# Altium PCB IO_Boardv3_281215.PcbDoc
Units mm, origin at the board's own origin, x right, y up, seen from the top; angles counter-clockwise.
Board outline 147.5 x 102.5 mm, 2 copper layers (Top Layer, Bottom Layer); 134 components, 97 nets, 602 pads, 110 vias.
Unrouted connection lines stored in the file: 1.
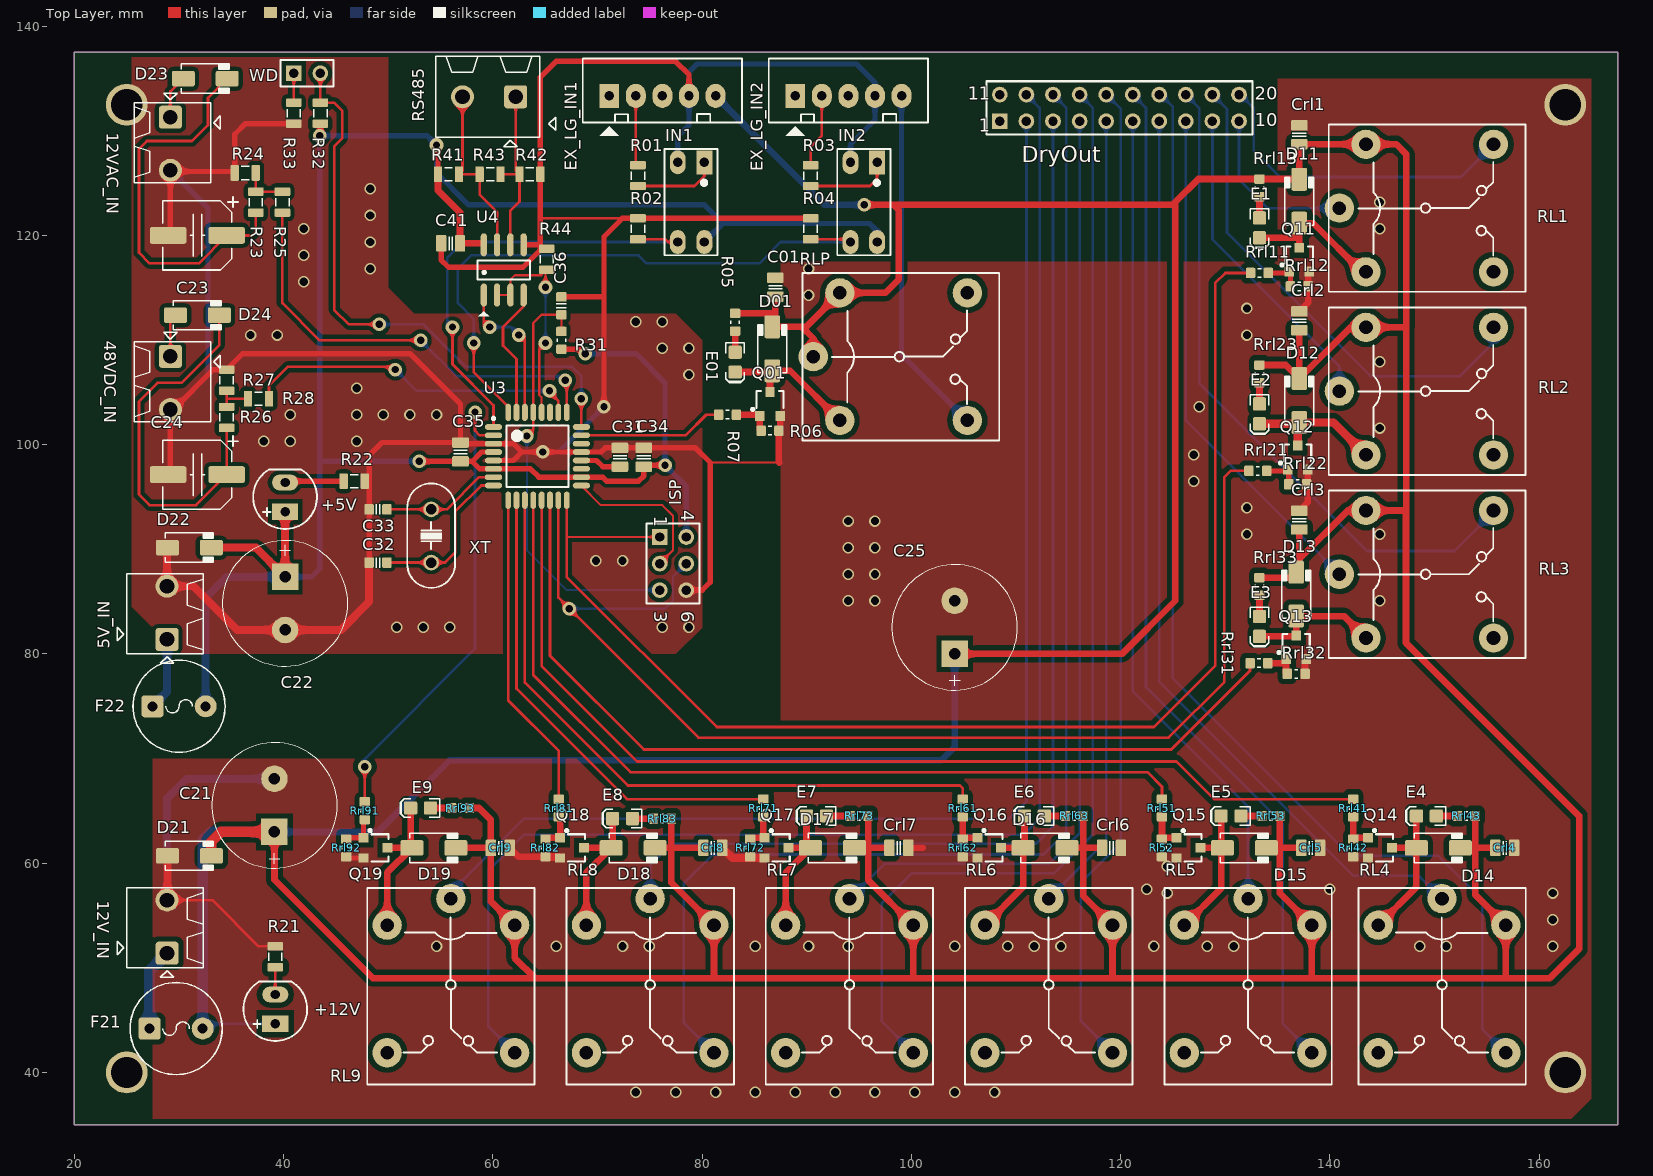
[diagram p0: Top Layer view]
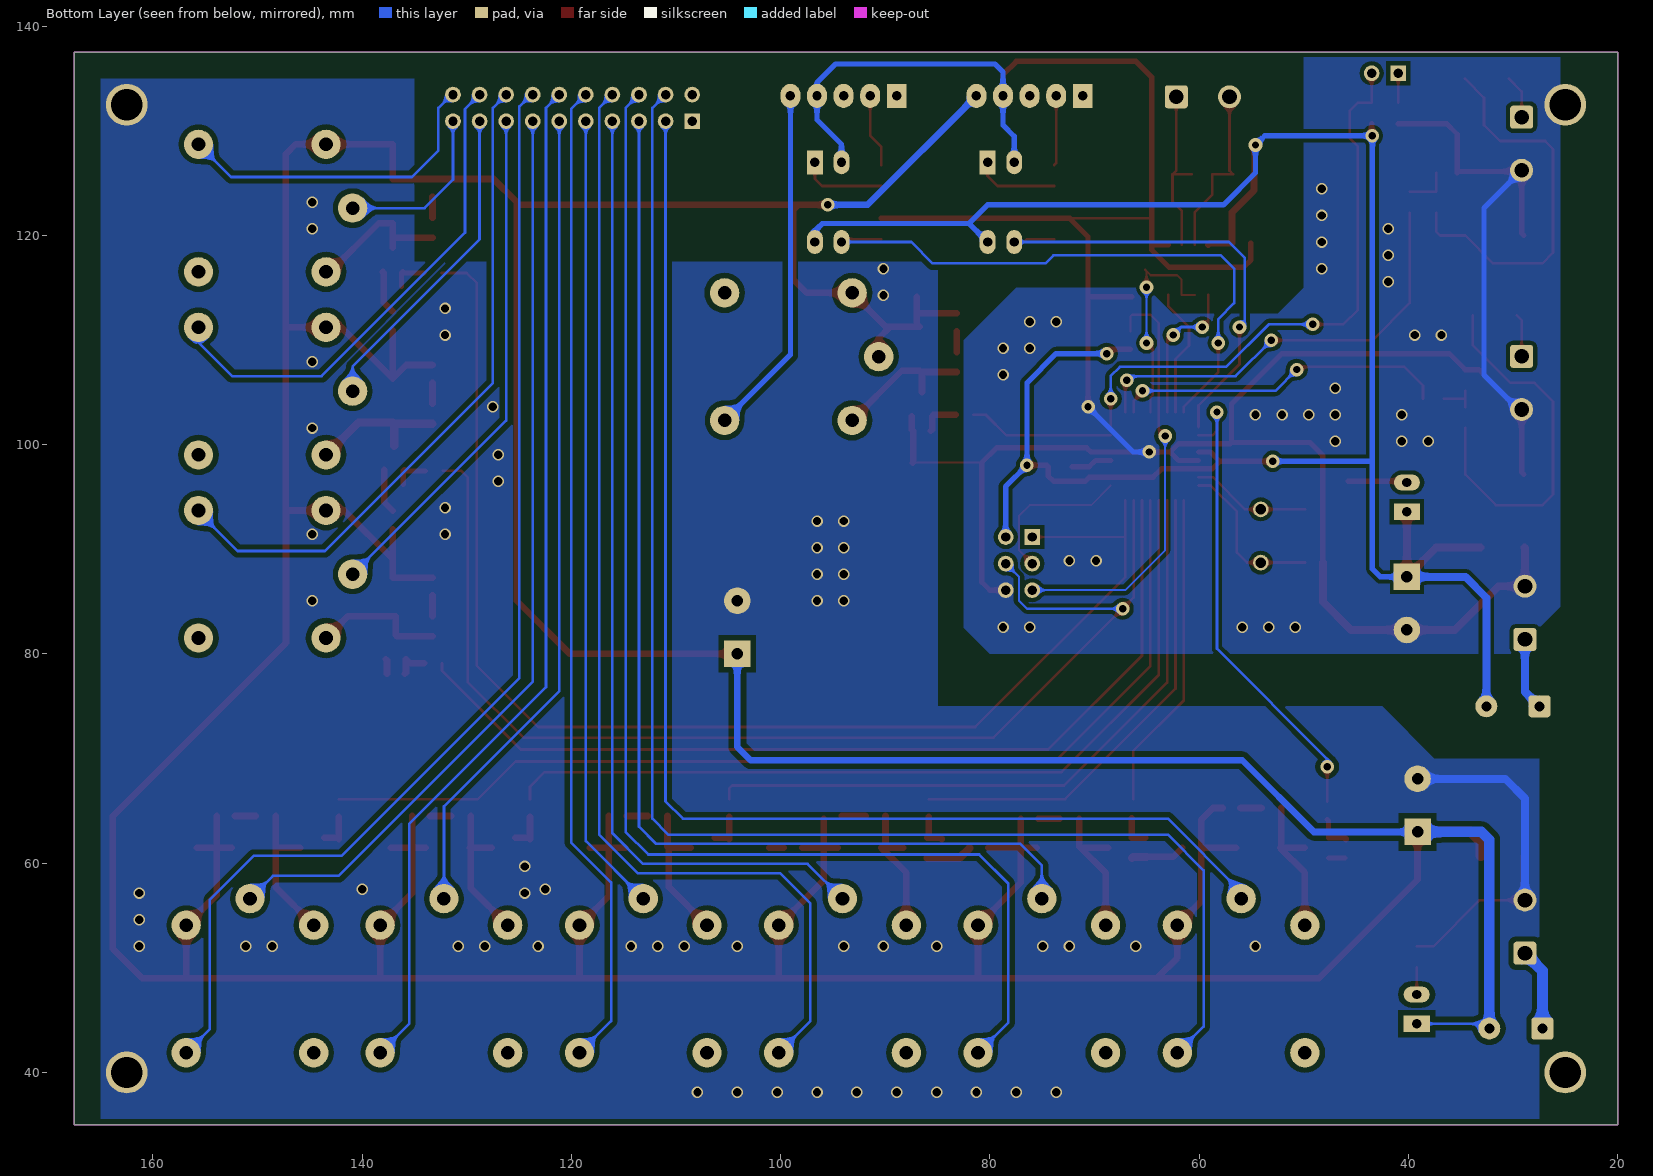
[diagram p1: Bottom Layer view, seen from below]
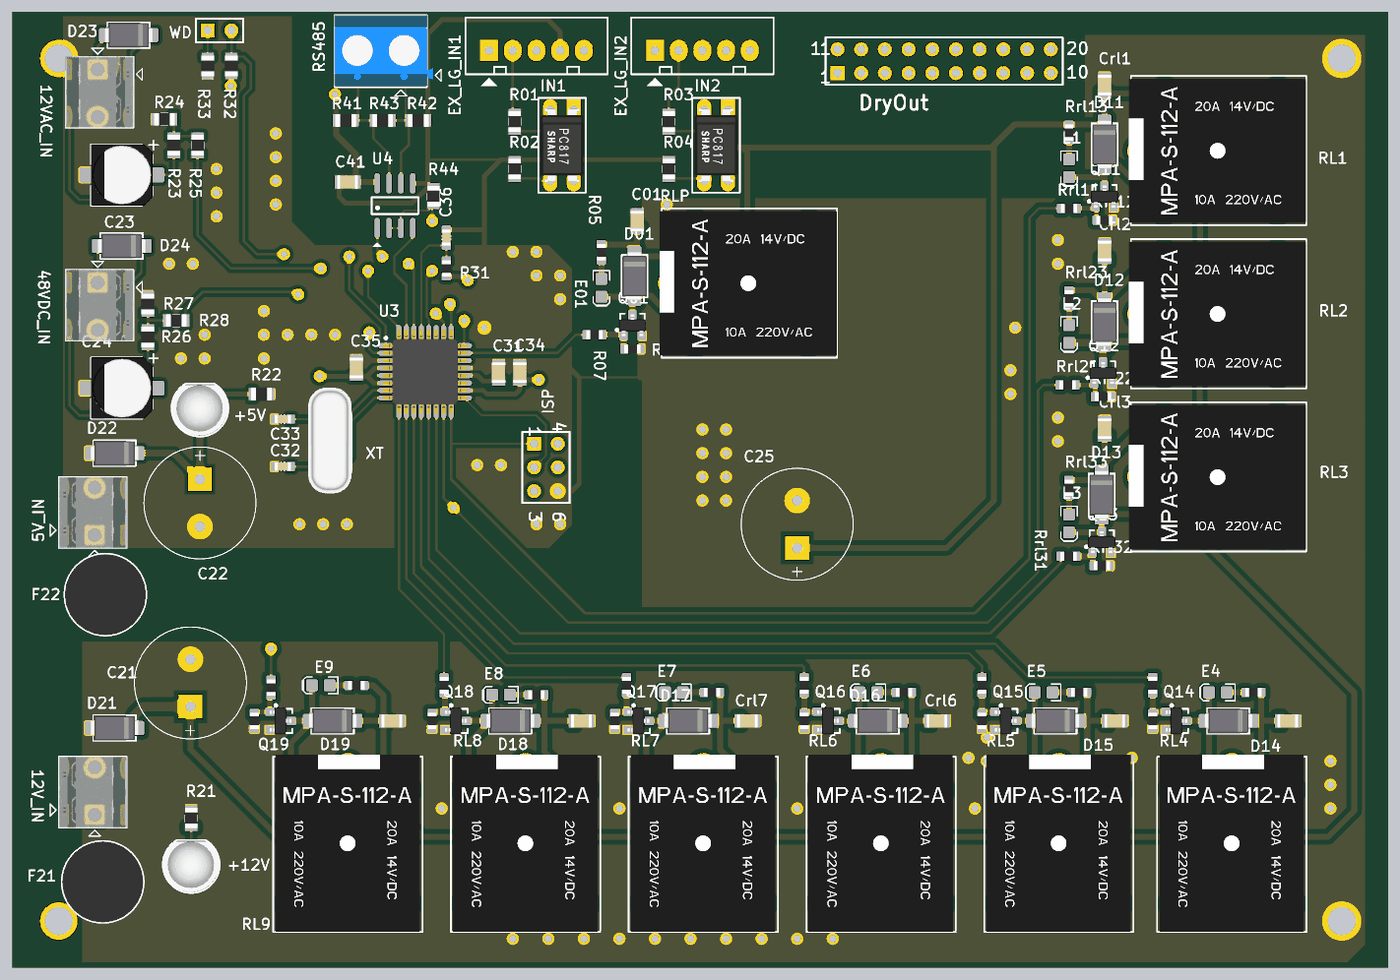
[diagram p2: 3D render of the assembled board from above, using the file's embedded part models]

## Layer stack, top to bottom
Top Solder: solder mask 0.0102, Solder Resist, Dk 3.5
Top Layer: signal copper 0.0356
Dielectric 1: dielectric 0.32, FR-4, Dk 4.8
Bottom Layer: signal copper 0.0356
Bottom Solder: solder mask 0.0102, Solder Resist, Dk 3.5

## Board outline
20,35 167.5,35 167.5,137.5 20,137.5

## Design rules (kind name [scope] priority, off if disabled: settings)
Clearance [All] p1: gap=0.508
PlaneConnect [All] p1: planeconnectstyle=Direct reliefexpansion=0.508 reliefentries=4 reliefconductorwidth=0.635 reliefairgap=0.254
PolygonConnect [All] p1: connectstyle=Direct reliefconductorwidth=0.635 reliefentries=4 polygonreliefangle="90 Angle" airgapwidth=0.254
RoutingVias [All] p1: holewidth=0.711 width=1.27 viastyle="Through Hole" minholewidth=0.6 minwidth=1.2 maxholewidth=5 maxwidth=5
SolderMaskExpansion [All] p1: expansion=0.102
Width [All] p1: maxlimit=3 minlimit=0.203 preferedwidth=0.254
29 further rules are at their usual default settings.

## Classes and differential pairs
component class IO_Boardv3_RelayAlarm: C25 Crl1 Crl2 Crl3 Crl4 Crl5 Crl6 Crl7 Crl8 Crl9 D11 D12 D13 D14 D15 D16 D17 D18 D19 DryOut E1 E2 E3 E4 E5 E6 E7 E8 E9 Q11 Q12 Q13 Q14 Q15 Q16 Q17 Q18 Q19 RL1 RL2 RL3 RL4 RL5 RL6 RL7 RL8 RL9 Rl52 Rrl11 Rrl12 Rrl13 Rrl21 Rrl22 Rrl23 Rrl31 Rrl32 Rrl33 Rrl41 Rrl42 Rrl43 Rrl51 Rrl53 Rrl61 Rrl62 Rrl63 Rrl71 Rrl72 Rrl73 Rrl81 Rrl82 Rrl83 Rrl91 Rrl92 Rrl93
component class IO_Boardv3_281215: 5V_IN 12V_IN 12VAC_IN 48VDC_IN +5V +12V C01 C21 C22 C23 C24 C31 C32 C33 C34 C35 C36 C41 D01 D21 D22 D23 D24 E01 EX_LG_IN1 EX_LG_IN2 F21 F22 IN1 IN2 ISP Q01 R01 R02 R03 R04 R05 R06 R07 R21 R22 R23 R24 R25 R26 R27 R28 R31 R32 R33 R41 R42 R43 R44 RLP RS485 U3 U4 WD XT

## Components (designator, comment, footprint, x,y, rotation, side; value= is the part's Value field where it differs from the comment)
5V_IN "Stackable ScrewTerm" 2P_PCB_ScrewTerm_200mil 25,80 r0 top
12V_IN "Stackable ScrewTerm" 2P_PCB_ScrewTerm_200mil 25,50 r0 top
12VAC_IN "Stackable ScrewTerm" 2P_PCB_ScrewTerm_200mil 33.02,132.71 r180 top
48VDC_IN "Stackable ScrewTerm" 2P_PCB_ScrewTerm_200mil 33.02,109.85 r180 top
+5V "Led" "LED 5mm RED" 40.132,94.996 r90 top
+12V "Led" "LED 5mm RED" 39.198,46.056 r90 top
C01 "CAP NP" CAPC2012N_F 86.995,115.062 r90 top
C21 "2200uF/35V" CP_1000uF_25V 39.116,65.532 r90 top
C22 "2200uF/35V" CP_1000uF_25V 40.132,84.836 r270 top
C23 "Cap" CAP_ELEC_6.3x4.2 31.75,120.01 r0 top
C24 "Cap" CAP_ELEC_6.3x4.2 31.75,97.15 r0 top
C25 "2200uF/35V" CP_1000uF_25V 104.14,82.55 r90 top
C31 "Cap" CAPC2012N_F 72.136,98.806 r90 top
C32 "CAP NP" CAPC1608N 49.015,88.74 r180 top
C33 "CAP NP" CAPC1608N 49.015,93.82 r180 top
C34 "Cap" CAPC2012N_F 74.422,98.806 r90 top
C35 "Cap" CAPC2012N_F 56.896,99.314 r90 top
C36 "CAP NP" CAPC1608N 66.548,113.284 r270 top
C41 "100nF/104" CAPC2012N_F 55.953,119.253 r0 top
Crl1 "CAP NP" CAPC2012N_F 137.081,129.629 r90 top
Crl2 "CAP NP" CAPC2012N_F 137.081,111.849 r90 top
Crl3 "CAP NP" CAPC2012N_F 137.081,92.799 r90 top
Crl4 "CAP NP" CAPC2012N_F 156.718,61.468 r0 top
Crl5 "CAP NP" CAPC2012N_F 138.176,61.468 r0 top
Crl6 "CAP NP" CAPC2012N_F 119.126,61.468 r0 top
Crl7 "CAP NP" CAPC2012N_F 98.806,61.468 r0 top
Crl8 "CAP NP" CAPC2012N_F 81.026,61.468 r0 top
Crl9 "CAP NP" CAPC2012N_F 60.706,61.468 r0 top
D01 "Diode" DO-214AC 86.709,109.172 r90 top
D11 "Diode" DO-214AC 137.081,123.279 r90 top
D12 "Diode" DO-214AC 137.081,104.229 r90 top
D13 "Diode" DO-214AC 136.779,85.725 r90 top
D14 "Diode" DO-214AC 150.368,61.468 r0 top
D15 "Diode" DO-214AC 131.826,61.468 r0 top
D16 "Diode" DO-214AC 112.776,61.468 r0 top
D17 "Diode" DO-214AC 92.456,61.468 r0 top
D18 "Diode" DO-214AC 73.406,61.468 r0 top
D19 "Diode" DO-214AC 54.356,61.468 r0 top
D21 "Diode" DO-214AC 30.988,60.706 r0 top
D22 "Diode" DO-214AC 30.988,90.17 r0 top
D23 "Diode" DO-214AC 32.5,135 r0 top
D24 "Diode" DO-214AC 31.75,112.39 r0 top
DryOut "Header 10X2A" HDR2X10_CEN 108.458,130.937 r0 top
E1 "Blue" LED-0805-A 133.271,120.739 r270 top
E01 "Blue" LED-0805-A 83.153,107.902 r270 top
E2 "Blue" LED-0805-A 133.271,102.959 r270 top
E3 "Blue" LED-0805-A 133.271,82.639 r270 top
E4 "Blue" LED-0805-A 149.225,64.516 r180 top
E5 "Blue" LED-0805-A 130.556,64.516 r180 top
E6 "Blue" LED-0805-A 111.76,64.516 r180 top
E7 "Blue" LED-0805-A 90.932,64.516 r180 top
E8 "Blue" LED-0805-A 72.39,64.262 r180 top
E9 "Blue" LED-0805-A 53.086,65.278 r180 top
EX_LG_IN1 "JP5" CON5 71.12,133.35 r0 top
EX_LG_IN2 "JP5" CON5 88.9,133.35 r0 top
F21 "1.5A" FUSE_SR-5-BK 29.718,44.196 r0 top
F22 "1.5A" FUSE_SR-5-BK 30,75 r0 top
IN1 "PC817" DIP4/W0.3 80.21,127 r180 top
IN2 "PC817" DIP4/W0.3 96.72,127 r180 top
ISP "Header 3X2A" HDR2X3_CEN 75.946,91.186 r270 top
Q01 "C828" "SOT23 TOP" 86.487,103.886 r0 top
Q11 "C828" "SOT23 TOP" 137.081,117.691 r0 top
Q12 "C828" "SOT23 TOP" 136.925,98.771 r0 top
Q13 "C828" "SOT23 TOP" 136.779,80.645 r0 top
Q14 "C828" "SOT23 TOP" 144.78,61.468 r270 top
Q15 "C828" "SOT23 TOP" 126.492,61.468 r270 top
Q16 "C828" "SOT23 TOP" 107.442,61.468 r270 top
Q17 "C828" "SOT23 TOP" 87.122,61.468 r270 top
Q18 "C828" "SOT23 TOP" 67.564,61.468 r270 top
Q19 "C828" "SOT23 TOP" 48.768,61.468 r270 top
R01 "Res" RESC2012N_F 73.86,125.73 r90 top
R02 "Res" RESC2012N_F 73.86,120.65 r270 top
R03 "Res" RESC2012N_F 90.37,125.73 r90 top
R04 "Res" RESC2012N_F 90.37,120.65 r270 top
R05 "Res" RESC1608N_ZERO 83.153,111.712 r90 top
R06 "Res" RESC1608N_ZERO 86.487,101.346 r180 top
R07 "Res" RESC1608N_ZERO 82.423,102.87 r0 top
R21 "Res_0805_1k" RESC2012N_F 39.198,51.056 r90 top
R22 "Res_0805_1k" RESC2012N_F 46.736,96.52 r0 top
R23 "Res" RESC2012N_F 37.338,123.19 r90 top
R24 "Res" RESC2012N_F 36.322,125.984 r0 top
R25 "Res" RESC2012N_F 39.878,123.19 r270 top
R26 "Res" RESC2012N_F 34.544,102.616 r90 top
R27 "Res" RESC2012N_F 34.544,106.172 r270 top
R28 "Res" RESC2012N_F 37.592,104.394 r0 top
R31 "Res" RESC1608N_ZERO 66.548,109.982 r270 top
R32 "Res" RESC2012N_F 43.507,131.699 r270 top
R33 "Res" RESC2012N_F 40.967,131.699 r90 top
R41 "1k" RESC2012N_F 55.753,125.857 r180 top
R42 "1k" RESC2012N_F 63.535,125.857 r180 top
R43 "330R" RESC2012N_F 59.725,125.857 r180 top
R44 "330R" RESC2012N_F 65.151,117.729 r270 top
RL1 "Relay 10A/5V" RL_5PIN 139.871,114.649 r0 top
RL2 "Relay 10A/5V" RL_5PIN 139.871,97.149 r0 top
RL3 "Relay 10A/5V" RL_5PIN 139.871,79.649 r0 top
RL4 "Relay 10A/5V" RL_5PIN 142.748,57.658 r270 top
RL5 "Relay 10A/5V" RL_5PIN 124.206,57.658 r270 top
RL6 "Relay 10A/5V" RL_5PIN 105.156,57.658 r270 top
RL7 "Relay 10A/5V" RL_5PIN 86.106,57.658 r270 top
RL8 "Relay 10A/5V" RL_5PIN 67.056,57.658 r270 top
RL9 "Relay 10A/5V" RL_5PIN 48.006,57.658 r270 top
Rl52 "Res" RESC1608N_ZERO 123.952,61.468 r90 top
RLP "Relay 10A/5V" RL_5PIN 89.579,100.446 r0 top
Rrl11 "Res" RESC1608N_ZERO 133.271,116.421 r0 top
Rrl12 "Res" RESC1608N_ZERO 137.081,115.151 r180 top
Rrl13 "Res" RESC1608N_ZERO 133.271,124.549 r90 top
Rrl21 "Res" RESC1608N_ZERO 133.115,97.501 r0 top
Rrl22 "Res" RESC1608N_ZERO 136.925,96.231 r180 top
Rrl23 "Res" RESC1608N_ZERO 133.271,106.769 r90 top
Rrl31 "Res" RESC1608N_ZERO 133.223,79.121 r0 top
Rrl32 "Res" RESC1608N_ZERO 136.779,78.105 r180 top
Rrl33 "Res" RESC1608N_ZERO 133.271,86.449 r90 top
Rrl41 "Res" RESC1608N_ZERO 142.24,65.278 r270 top
Rrl42 "Res" RESC1608N_ZERO 142.24,61.468 r90 top
Rrl43 "Res" RESC1608N_ZERO 153.035,64.516 r0 top
Rrl51 "Res" RESC1608N_ZERO 123.952,65.278 r270 top
Rrl53 "Res" RESC1608N_ZERO 134.366,64.516 r0 top
Rrl61 "Res" RESC1608N_ZERO 104.902,65.278 r270 top
Rrl62 "Res" RESC1608N_ZERO 104.902,61.468 r90 top
Rrl63 "Res" RESC1608N_ZERO 115.57,64.516 r0 top
Rrl71 "Res" RESC1608N_ZERO 85.852,65.278 r270 top
Rrl72 "Res" RESC1608N_ZERO 84.582,61.468 r90 top
Rrl73 "Res" RESC1608N_ZERO 94.996,64.516 r0 top
Rrl81 "Res" RESC1608N_ZERO 66.294,65.278 r270 top
Rrl82 "Res" RESC1608N_ZERO 65.024,61.468 r90 top
Rrl83 "Res" RESC1608N_ZERO 76.2,64.262 r0 top
Rrl91 "Res" RESC1608N_ZERO 47.752,65.024 r270 top
Rrl92 "Res" RESC1608N_ZERO 45.974,61.468 r90 top
Rrl93 "Res" RESC1608N_ZERO 56.896,65.278 r0 top
RS485 "Stackable ScrewTerm" 2P_PCB1 63.573,129.413 r90 top
U3 "ATmega88PA" 32PIN 64.255,98.9 r0 top
U4 "MAX485" SO-8 61.033,116.713 r90 top
WD "Water Detect" HDR1X2 40.967,135.509 r0 top
XT "20MHz" XT2 54.095,91.28 r270 top

## Footprints (in the part's own frame and the unit in brackets; to place one, negate y for a bottom-side part, rotate by r counter-clockwise, add the part's x,y. Pads: shape width x height; smd on the part's side, far side on the other; paste and mask are expansions set on the pad)
2P_PCB1 [mm]
  rrect25% 2.2x2.2 hole 1.4: 1(3.85,1.397)
  round 2.2 hole 1.4: 2(3.85,6.477)
  silkscreen extent -0.93,-2.41 7.75,9.02, body extent 0.14,-1.54 7.74,9.06, height 10.01
2P_PCB_ScrewTerm_200mil [mm]
  rrect25% 2.2x2.2 hole 1.4: 1(3.85,1.397)
  round 2.2 hole 1.4: 2(3.85,6.477)
  silkscreen extent -0.93,-0.89 7.3,7.66, body extent 0,0 7.3,7.62, height 8.5
32PIN [mm]
  oval 1.65x0.55 smd: 1(-4.2,2.8) 2(-4.2,2) 3(-4.2,1.2) 4(-4.2,0.4) 5(-4.2,-0.4) 6(-4.2,-1.2) 7(-4.2,-2) 8(-4.2,-2.8) 17(4.2,-2.8) 18(4.2,-2) 19(4.2,-1.2) 20(4.2,-0.4) 21(4.2,0.4) 22(4.2,1.2) 23(4.2,2) 24(4.2,2.8)
  oval 0.55x1.65 smd: 9(-2.8,-4.2) 10(-2,-4.2) 11(-1.2,-4.2) 12(-0.4,-4.2) 13(0.4,-4.2) 14(1.2,-4.2) 15(2,-4.2) 16(2.8,-4.2) 25(2.8,4.2) 26(2,4.2) 27(1.2,4.2) 28(0.4,4.2) 29(-0.4,4.2) 30(-1.2,4.2) 31(-2,4.2) 32(-2.8,4.2)
  silkscreen extent -4.32,-2.95 2.95,3.75, body extent -4.5,-4.5 4.5,4.5, height 1.6
CAP_ELEC_6.3x4.2 [mm] "Capacitor, polarized, aluminum can; 6.3x4.2mm DxH"
  round 0.508 on Mech14: 0(0,0)
  rrect25% 3.5x1.6 smd: 1(2.8,0) 2(-2.8,0)
  silkscreen extent -3.3,-3.3 3.9,3.7, body extent -3.3,-3.3 3.3,3.3, height 4.23
CAPC1608N [mm] "Chip Capacitor, Body 1.6x0.8mm, 0603, IPC Medium Density"
  round 0.254 on Mech14: 0(0,0)
  rrect25% 0.9x1 smd: 1(-0.85,0) 2(0.85,0)
  Top Layer pour cut-out: -0.4,0.6 0.4,0.6 0.4,-0.6 -0.4,-0.6
  silkscreen extent -0.18,-0.48 0.18,0.48, body extent -0.85,-0.45 0.85,0.45, height 0.89
CAPC2012N_F [mm] "Chip Capacitor, Body 2.0x1.2mm, 0805, IPC Medium Density, for Flex circuits"
  round 0.254 on Mech14: 0(0,0)
  rrect25% 1.2x1.4 on Top Solder: 1(-0.9,0) 1(0.9,0)
  rrect25% 1x1.6 smd paste-1: 1(-0.9,0) 2(0.9,0)
  rrect25% 1x1.4 on Top Paste: 1(-0.9,0) 1(0.9,0)
  Top Layer pour cut-out: -0.4,0.8 0.4,0.8 0.4,-0.8 -0.4,-0.8
  silkscreen extent -0.15,-0.65 0.15,0.65, body extent -1.1,-0.72 1.1,0.73, height 1.34
CON5 [mm] "CON5"
  rect 1.905x2.286 hole 0.9: 1(0,0)
  oval 1.905x2.286 hole 0.9: 2(2.54,0) 3(5.08,0) 4(7.62,0) 5(10.16,0)
  silkscreen extent -2.54,-3.8 12.7,3.56
CP_1000uF_25V [mm]
  rect 2.54x2.54 hole 1.1: 1(-2.54,0)
  round 2.54 hole 1.1: 2(2.54,0)
  silkscreen extent -6,-6 6,6, body extent -6,-6 6.02,6, height 20.1
DIP4/W0.3 [mil] "PC817"
  rect 60x90 hole 35.43: 1(0,0)
  oval 60x90 hole 35.43: 2(100,0) 3(100,300) 4(0,300)
  silkscreen extent -50,-50 150,350, body extent -40,-5 140,305, height 169
DO-214AC [mm] "JEDEC DO214 variation AC. SMA"
  round 0.508 on Mech14: 0(0,0)
  rrect25% 2.2x1.5 smd: A(-2.1,0) K(2.1,0)
  silkscreen extent -2.3,-1.4 2.3,1.4, body extent -2.6,-1.3 2.6,1.3, height 2.42
FUSE_SR-5-BK [mm]
  round 0.5 on Mech14: 0(0,0)
  rrect25% 2.1x2.1 hole 0.965: 1(-2.54,0)
  round 2.1 hole 0.965: 2(2.54,0)
  silkscreen extent -4.4,-4.4 4.4,4.4, body extent -4.35,-4.32 4.35,4.32, height 8.29
HDR1X2 [mm] "Connector; Header; 2 Position"
  rect 1.5x1.5 hole 0.9: 1(0,0)
  round 1.5 hole 0.9: 2(2.54,0)
  silkscreen extent -1.27,-1.27 3.81,1.27, body extent -1.27,-1.27 3.81,1.27, height 7
HDR2X3_CEN [mm] "Connector; Header; 3x2 Position"
  rect 1.5x1.5 hole 0.9: 1(0,0)
  round 1.5 hole 0.9: 2(2.54,0) 3(5.08,0) 4(0,2.54) 5(2.54,2.54) 6(5.08,2.54)
  silkscreen extent -1.27,-1.27 6.35,3.81
HDR2X10_CEN [mm] "Connector; Header; 10x2 Position"
  rect 1.5x1.5 hole 0.9: 1(0,0)
  round 1.5 hole 0.9: 2(2.54,0) 3(5.08,0) 4(7.62,0) 5(10.16,0) 6(12.7,0) 7(15.24,0) 8(17.78,0) 9(20.32,0) 10(22.86,0) 11(0,2.54) 12(2.54,2.54) 13(5.08,2.54) 14(7.62,2.54) 15(10.16,2.54) 16(12.7,2.54) 17(15.24,2.54) 18(17.78,2.54) 19(20.32,2.54) 20(22.86,2.54)
  silkscreen extent -1.27,-1.27 24.13,3.81, body extent -1.27,-1.27 24.13,3.81, height 7
"LED 5mm RED" [mm]
  rect 1.6x2.5 hole 0.9: A(-1.397,0)
  oval 1.5x2.5 hole 0.9: K(1.397,0)
  silkscreen extent -3.04,-3.05 2.64,3.04, body extent -2.94,-2.97 2.48,3.05, height 12.31
LED-0805-A [mil]
  round 20 on Mech14: 0(0,0)
  rrect25% 50x50 smd: A(-37.5,0) K(37.5,0)
  Top Layer pour cut-out: -15,30 15,30 15,-30 -15,-30
  silkscreen extent -72,-35 77,35, body extent -39,-25 39,25, height 31
RESC1608N_ZERO [mm] "Chip Resistor, Body 1.6x0.8mm, 0603, IPC Medium Density"
  round 0.254 on Mech14: 0(0,0)
  rrect25% 0.9x1 smd: 1(-0.85,0) 2(0.85,0)
  Top Layer pour cut-out: -0.4,0.6 0.4,0.6 0.4,-0.6 -0.4,-0.6
  silkscreen extent -0.15,-0.41 0.15,0.41, body extent -0.87,-0.47 0.88,0.48, height 0.54
RESC2012N_F [mm] "Chip Resistor, Body 2.0x1.2mm, 0805, IPC Medium Density"
  round 0.254 on Mech14: 0(0,0)
  rrect25% 1x1.3 on Top Solder: 1(-1,0) 1(1,0)
  rrect25% 0.8x1.5 smd paste-1: 1(-1,0) 2(1,0)
  rrect25% 0.8x1.3 on Top Paste: 1(-1,0) 1(1,0)
  Top Layer pour cut-out: -0.6,0.75 0.6,0.75 0.6,-0.75 -0.6,-0.75
  silkscreen extent -0.38,-0.64 0.38,0.64, body extent -1.1,-0.67 1.1,0.68, height 0.69
RL_5PIN [mm]
  round 2.8 hole 1.3: 1(1.041,7.976) 2(15.773,14.072) 3(15.773,1.88) 4(3.581,1.88) 5(3.581,14.072)
  silkscreen extent 0.03,-0.03 18.82,15.98, body extent -0.18,0.2 18.82,15.7, height 15.5
SO-8 [mm] "8-Pin Small Outline Integrated Circuit 1.27 mm Pitch, IPC Medium Density"
  oval 2.2x0.6 smd: 1(-2.4,1.905) 2(-2.4,0.635) 3(-2.4,-0.635) 4(-2.4,-1.905) 5(2.4,-1.905) 6(2.4,-0.635) 7(2.4,0.635) 8(2.4,1.905)
  silkscreen extent -4.44,-2.5 0.9,2.5, body extent -1.95,-2.45 1.95,2.45, height 1.75
"SOT23 TOP" [mm]
  rect 0.9x0.95 smd: 1(-0.965,-1.143) 2(0,1.143) 3(0.965,-1.143)
  silkscreen extent -1.77,-0.63 1.3,1.25, body extent -1.46,-1.17 1.46,1.17, height 1